# Altium PCB higgs.PcbDoc (part 8 of 25)
Units mm, origin at the board's own origin, x right, y up, seen from the top; angles counter-clockwise.
Board outline 160 x 160 mm, 15 copper layers (TOP, P1(GND), S1(V), P2(GND), S2(H), P3(GND), S3(V12/V2V5), S4(VDDR), P4(GND), S5(V), P5(GND), S6(H), P6(GND), P1(GND) (Plane1), BOT), stack 3.262 mm thick; 1283 components, 2419 nets, 11066 pads, 5487 vias.
Unrouted connection lines stored in the file: 239.
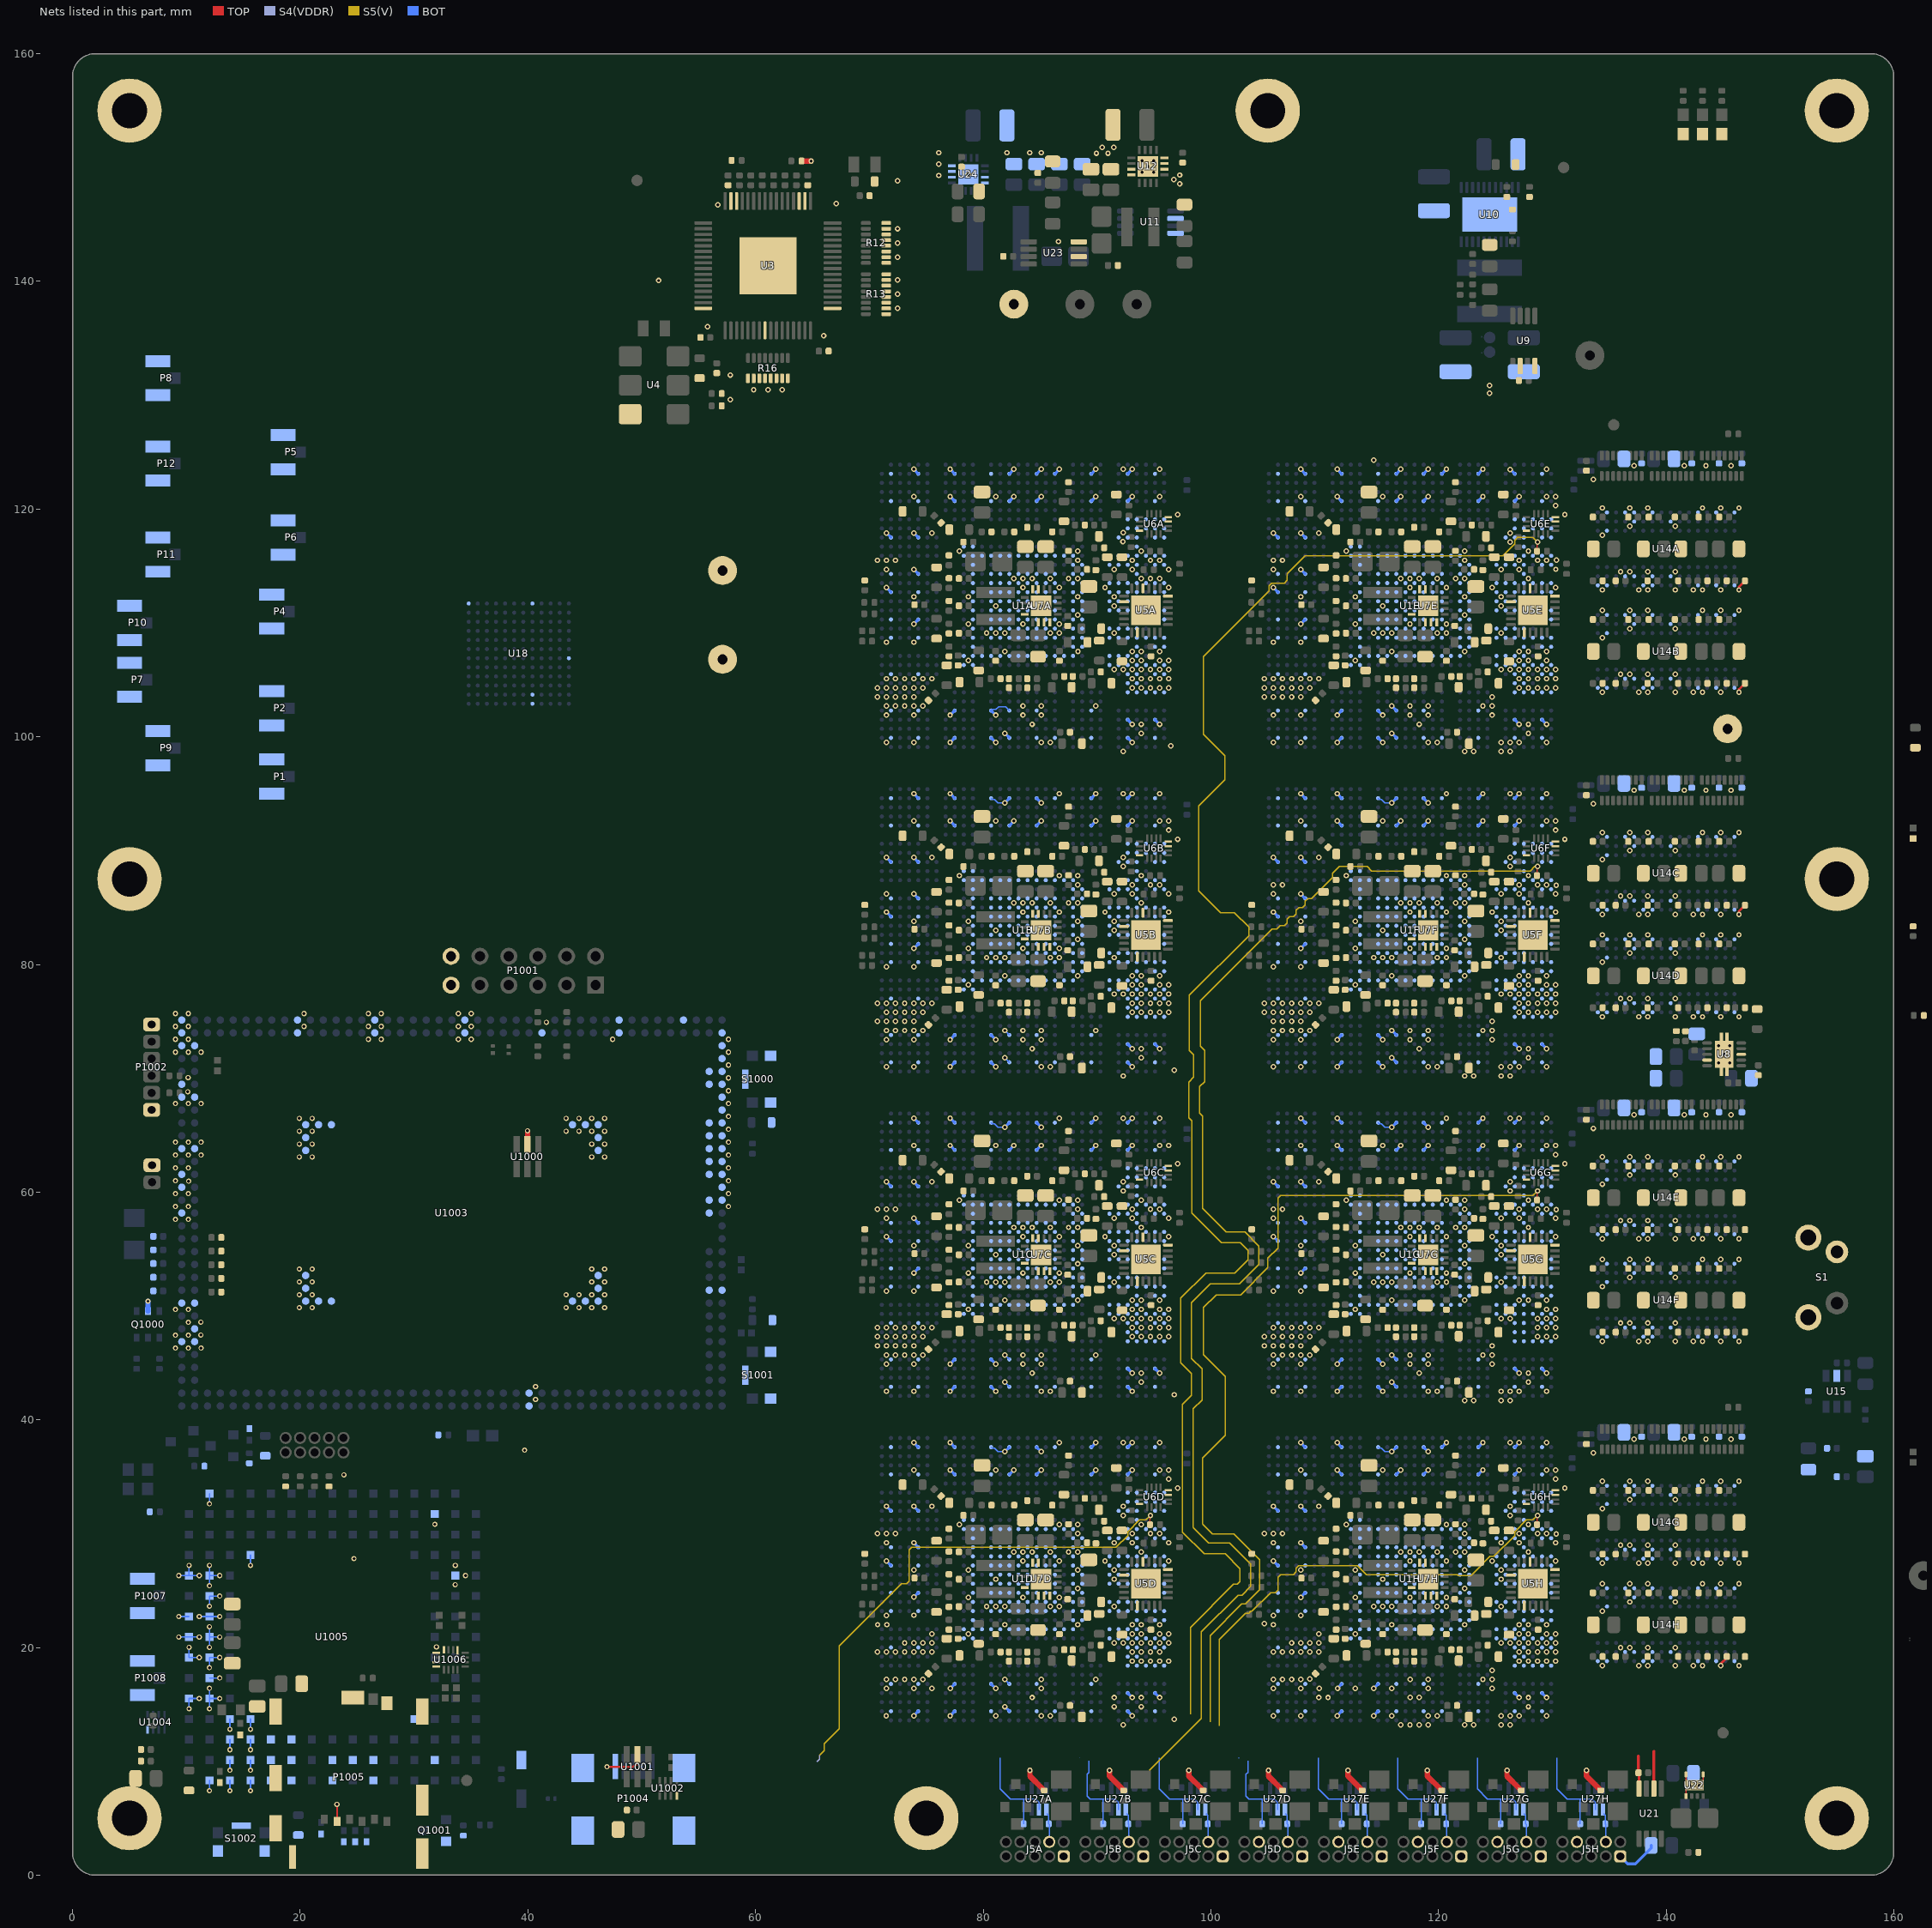
[diagram p21: the nets of this part, all layers, seen from the top]

## Via types
v1: diameter 0.483, hole 0.254, TOP to BOT, tented both sides, 5146 vias
v2: diameter 0.457, hole 0.254, TOP to BOT, tented both sides, 278 vias
v3: diameter 0.5, hole 0.25, TOP to BOT, 50 vias
v4: diameter 0.483/0/0/0/0.483/0/0/0.483 (per signal layer), hole 0.254, TOP to BOT, tented both sides, 7 vias
v5: diameter 0.483, hole 0.254, TOP to BOT, tented bottom, 5 vias
v6: diameter 0.483, hole 0.254, TOP to BOT, 1 vias

## Nets (pads, with @x,y where several pads share a name; then routed paths per layer and width w, separated by ;. In a path a pad name is that pad's centre, name@x,y a point inside that pad or via, vN(x,y) a via of type N, cw(c..) or ccw(c..) an arc to the next point about the centre after c; other vN are vias at no path point) (continued)
FPGAI_TDOD: J5D.8 R122D.2 | length 45.6
  TOP w0.1: R122D.2@94.655,30.8 v1@94.655,31.555
  S4(VDDR) w0.1: 65.4,9.95 65.625,10.175 65.625,10.525
  S5(V) w0.1: 65.625,10.525 66.027,10.927 66.027,11.527 66.15,11.65 ; 66.154,11.671 67.339,12.856 67.339,20.125 72.816,25.602 73.265,25.602 73.502,25.838 73.502,28.565 73.735,28.798 91.662,28.798 92.702,29.838 92.702,30.165 93.735,31.198 94.298,31.198 v1(94.7,31.6)
FPGAI_TDOE: J5E.8 R122E.2 | length 148
  TOP w0.1: R122E.2@128.655,116.3 v1@128.655,117.055
  S5(V) w0.1: 97.506,30.166 97.506,30.2 ; 98.221,14.163 98.221,21.763 102.006,25.548 102.332,25.548 102.557,25.774 102.557,26.935 101.26,28.233 100.325,28.233 99.41,28.233 97.506,30.137 97.506,30.2 ; v1(128.7,117.1) 128.3,117.5 127.6,117.5 127.598,117.498 126.935,117.498 126.698,117.262 126.698,116.935 125.662,115.898 108.298,115.898 106.698,114.298 106.698,113.735 106.462,113.498 105.335,113.498 105.102,113.265 105.102,112.803 99.333,107.035 99.333,100.218 101.233,98.318 101.233,96.235 98.933,93.935 98.933,86.465 100.865,84.533 102.083,84.533 103.333,83.283 103.333,82.497 98.125,77.289 98.125,72.441 98.5,72.066 98.5,70.1 98.058,69.658 98.058,66.544 98.325,66.277 98.325,58.177 100.951,55.55 102.6,55.55 103.275,54.875 103.275,54.05 102.117,52.892 99.569,52.893 97.358,50.681 97.358,44.994 98.283,44.069 98.283,42.131 97.506,41.354 97.506,30.2
FPGAI_TDOF: J5F.8 R122F.2 | length 119.1
  TOP w0.1: R122F.2@128.655,87.8 v1@128.655,88.555
  S5(V) w0.1: 94.618,9.203 94.618,9.207 99.177,13.767 99.177,21.367 102.402,24.592 102.728,24.592 103.514,25.378 103.514,27.331 101.656,29.189 99.819,29.189 98.465,30.542 98.465,30.55 ; 98.462,30.562 98.462,40.958 99.239,41.735 99.239,44.465 98.314,45.39 98.314,50.285 99.965,51.936 102.514,51.936 104.231,53.654 104.231,55.271 102.996,56.506 101.348,56.506 99.281,58.573 99.281,66.673 99.014,66.94 99.014,69.261 99.456,69.704 99.456,72.462 99.09,72.829 99.09,76.813 105.376,83.1 105.8,83.1 106.102,83.402 106.465,83.402 106.698,83.635 106.698,83.962 106.938,84.201 107.264,84.201 107.497,84.434 107.497,84.761 107.738,85.002 108.065,85.002 108.298,85.235 108.298,85.562 108.538,85.802 108.865,85.802 110.698,87.635 110.698,87.998 111.3,88.6 113.737,88.6 114.135,88.202 128.065,88.202 128.463,88.6 v1(128.7,88.6)
FPGAI_TDOG: J5G.8 R122G.2 | length 80.6
  TOP w0.1: R122G.2@128.655,59.3 v1@128.655,60.055
  S5(V) w0.1: 99.267,30.85 100.15,29.967 102.008,29.967 104.281,27.694 104.281,25.056 103.049,23.824 102.72,23.824 99.945,21.049 99.945,13.449 ; 99.267,30.866 99.267,36.634 101.292,38.659 101.292,43.816 99.367,45.741 99.367,49.859 100.466,50.958 102.616,50.958 105.016,53.358 105.016,54.191 105.9,55.075 105.9,59.463 106.137,59.7 128.3,59.7 v1(128.7,60.1)
FPGAI_TDOH: J5H.8 R122H.2 | length 42.6
  TOP w0.1: R122H.2@128.655,30.8 v1@128.655,31.555
  S5(V) w0.1: 100.758,13.112 100.758,20.712 103.059,23.013 103.328,23.013 103.493,23.177 103.627,23.177 105.252,24.802 105.665,24.802 105.902,25.038 105.902,26.165 106.135,26.398 107.262,26.398 107.502,26.638 107.502,26.965 107.735,27.198 112.865,27.198 113.665,26.398 121.665,26.398 121.738,26.325 122.862,26.325 124.535,27.998 124.862,27.998 126.702,29.838 126.702,30.165 127.735,31.198 128.298,31.198 v1(128.7,31.6)
FPGAI_TMSA: J5A.4 R123A.2 U27A.1 | length 2.6
  BOT w0.1: U27A.1@85.605,5.4 85.76,5.245 R123A.2@85.76,4.5 85.81,4.45 J5A.4@85.81,2.92
FPGAI_TMSB: J5B.4 R123B.2 U27B.1 | length 2.6
  BOT w0.1: U27B.1@92.59,5.4 92.745,5.245 R123B.2@92.745,4.5 92.795,4.45 J5B.4@92.795,2.92
FPGAI_TMSC: J5C.4 R123C.2 U27C.1 | length 2.6
  BOT w0.1: U27C.1@99.575,5.4 99.73,5.245 R123C.2@99.73,4.5 99.78,4.45 J5C.4@99.78,2.92
FPGAI_TMSD: J5D.4 R123D.2 U27D.1 | length 2.6
  BOT w0.1: U27D.1@106.56,5.4 106.715,5.245 R123D.2@106.715,4.5 106.765,4.45 J5D.4@106.765,2.92
FPGAI_TMSE: J5E.4 R123E.2 U27E.1 | length 2.6
  BOT w0.1: U27E.1@113.545,5.4 113.7,5.245 R123E.2@113.7,4.5 113.75,4.45 J5E.4@113.75,2.92
FPGAI_TMSF: J5F.4 R123F.2 U27F.1 | length 2.6
  BOT w0.1: U27F.1@120.53,5.4 120.685,5.245 R123F.2@120.685,4.5 120.735,4.45 J5F.4@120.735,2.92
FPGAI_TMSG: J5G.4 R123G.2 U27G.1 | length 2.6
  BOT w0.1: U27G.1@127.515,5.4 127.67,5.245 R123G.2@127.67,4.5 127.72,4.45 J5G.4@127.72,2.92
FPGAI_TMSH: J5H.4 R123H.2 U27H.1 | length 2.6
  BOT w0.1: U27H.1@134.5,5.4 134.655,5.245 R123H.2@134.655,4.5 134.705,4.45 J5H.4@134.705,2.92